# KiCad board Rogelio Pineda part 3-AMLDC-2044B.kicad_pcb (continued)
## Routing (per net, layer and track width the routed paths; a pad name or vN(x,y) marks a point on that pad's centre or on a via; arc(x,y) is an arc through that point) (continued)
~{INTP OUT}: length 9.5
  Top w0.15: J1.95 79.98,200.81 80.42,200.87 82.39,200.99 ; 85.07,201.06 v1(84.97,201.16) 84.27,201.12 83.71,201.05 82.3,200.98
~{INTR}: length 125.9
  Top w0.15: v1(98.99,222.67) 99.74,221.51 100.7,220.18 101.43,218.26 101.72,216.34 101.74,213.85 101.88,211.95 101.74,209.42 101.65,207.86 101.45,203.79 101.35,202.6 101.23,201.15 100.9,198.79 100.5,195.21 100.29,194.34 100.17,193.13 99.64,189.48 99.15,186.46 98.92,185.29 98.58,183.35 98.29,182.52 98.07,180.56 97.88,179.57 97.43,176.96 97.34,175.99 97.64,173.19 98,170.02 98.31,166.22 98.84,161.57 99.02,156.84 97.9,153.55 97.39,152.14 96.76,150.69 96.21,149.42 95.64,148.28 95.21,146.99 94.64,145.69 94.04,143.71 93.99,142.94 93.98,142.48 94.02,140.93 94.31,140.01 94.79,137.18 95,136.36 95.12,134.64 ; J2.29 76.97,116.25 91.67,116.29 93.32,116.61 93.83,117.08 94.09,117.6 94.24,118.96 94.01,120.44 93.95,122.92 93.81,123.8 94.15,127.54 94.79,130.25 ; 94.74,130.11 95.25,132.74 95.11,134.85
~{RQENB}: length 208
  Top w0.15: 101.35,243.19 101.48,246.55 102.01,248.27 102.13,250.45 102.14,252.02 101.89,253.63 101.58,254.58 101.56,258.09 101.49,258.81 101.48,260.37 100.33,264.46 99.77,265.54 97.57,268.53 96.93,270.12 96.57,271.4 96.5,272.03 96.48,273.46 96.52,274.63 96.94,280.49 v1(97.08,281.18) ; 101.36,243.29 101.56,229.84 101.58,229.63 101.84,227.75 102.61,225.84 104.55,222.34 105.67,220 105.56,206.34 105.55,206.26 105.43,202.93 105.37,202.15 105.11,199.46 104.98,198.43 104.48,194.48 104.14,191.75 103.84,189.77 103.62,188.59 102.94,184.55 102.64,182.38 101.75,178.29 101.36,176.78 101.35,175.97 101.39,173.3 101.71,171.28 101.76,170.72 101.82,169.9 102.25,163.99 102.48,162.27 102.74,156.79 102.54,155.4 102.21,153.29 101.71,151.89 100.57,149.55 99.94,148.24 99.35,147.21 98.81,145.91 98.17,144.71 97.74,143.57 97.89,140.9 98.29,139.83 98.87,136.13 99.17,135.01 99.15,133.49 98.89,130.72 98.72,129.27 98.12,126.42 97.78,125.43 97.97,121.62 98.27,118.03 98.43,117.3 98.64,108.34 98.64,107.59 98.74,103.14 98.76,103.19 98.77,101.24 97.78,99.78 96.7,99.01 94.12,98.28 92.49,98.24 90.77,98.04 89.5,98.02 89.12,97.96 86.04,97.93 80.75,97.26 77.49,97.72 J2.41
unconnected-(C14-Pad1): length 38.9
  Top w0.15: v1(222.54,313.24) 221.5,313.59 220.85,314.8 220.94,316.98 220.88,316.82 220.88,323.1 221.04,325.55 221.56,334.19 222.06,335.56 222.5,337.58 222.74,338.3 222.96,340.78 222.81,341.71 222.53,343.05 222.17,344.52 222.06,347.09 222.59,348.79 222.59,349.24 C14.1
unconnected-(J2-Pin_51-Pad51): length 57.4
  Top w0.15: 89.18,51.23 88,49.93 87.98,49.93 v1(87.31,49.26) 87.36,49.31 ; 89.18,51.23 88.89,50.75 ; 89.18,51.23 90.14,52.28 90.61,52.8 90.99,53.31 91.92,54.15 92.34,54.73 92.54,55.2 92.93,55.7 93.25,56.64 93.52,57.49 93.52,60.43 93.41,61 93.33,61.78 93.25,63.05 92.98,64.45 92.81,66.11 92.71,66.99 92.63,68.92 92.68,70.17 92.83,72.11 92.88,72.16 92.89,73.57 93,74.38 93.1,75.02 93.05,75.06 93.3,77.6 93.16,79.09 93.06,79.73 92.66,81.26 92.07,82.39 91.64,83.28 90.66,84.71 90.44,85.1 90.39,85.1 89.29,86.41 87.95,87.22 86.6,87.57 85.65,87.43 84.97,86.82 84.74,86.65 84.74,86.58 84.41,86.16 83.54,84.92 83.44,84.59 83.16,84.1 82.73,83.44 ; 82.73,83.44 82.33,82.95 81.7,82.25 81.54,82.25 80.26,80.98 J2.51 ; 82.73,83.44 82.73,83.48
unconnected-(J2-Pin_67-Pad67): length 8.7
  Top w0.15: J2.67 81.44,55.48 81.88,55.52 82.31,55.35 83.75,54.86 84.4,54.22 v1(84.9,54.16) 84.88,54.22
unconnected-(J2-Pin_69-Pad69): length 6.6
  Top w0.15: J2.69 80.08,52.4 80.56,52.88 81.89,52.88 82.47,53.45 v1(82.58,53.45) 82.58,53.56 82.51,53.5
unconnected-(R2-Pad2): length 19.5
  Top w0.15: v1(253.86,330.22) 253.09,330.86 252.69,332.1 252.55,334.22 252.52,334.93 252.78,338.29 252.75,339.87 252.85,340.9 252.98,343.11 253.04,344.41 253.23,345.28 253.46,346.55 253.58,347.04 253.58,348.69 R2.2
unconnected-(R3-Pad2): length 75.7
  Top w0.15: 176.97,319.74 176.96,319.73 ; 176.97,319.74 177.03,319.8 ; 176.97,319.74 177.03,319.8 ; R3.2 176.3,286.75 176.4,288.64 176.46,290.59 175.99,292.87 176.17,295.52 176.24,297.77 176.53,300.84 176.73,302.81 177.12,305.99 177.08,306.72 177.08,308.84 177.02,309.69 176.9,312.66 176.85,314.07 177.03,319.8 ; 178.15,341.39 178.15,350.07 178.13,350.09 178.13,356.71 v1(178.02,356.82) ; 177.03,319.8 177.03,322.8 177.06,322.83 177.06,325.79 176.79,326.75 176.44,327.52 175.99,328.33 175.39,329.54 175.07,331.12 175.29,331.82 175.58,332.82 176.32,334.4 177.23,336.35 177.94,338.49 178.23,340.29 178.15,341.48
unconnected-(R30-Pad1): length 25.9
  Top w0.15: v1(215.08,327.84) 215.72,328.69 216.29,329.86 216.74,331.1 216.89,331.5 217.09,332.6 217.04,333.97 216.81,334.42 216.25,335.33 215.95,335.87 215.41,336.47 215.19,336.77 214.92,336.96 214.58,337.48 214.4,337.77 214.14,338.13 213.9,338.33 213.9,341.62 214.17,342.31 214.53,342.95 215.04,343.48 215.48,343.86 216.31,344.3 v1(217.59,344.68) 217.61,345.49 217.53,347.13 217.54,348.65 R30.1
unconnected-(R39-Pad2): length 80.1
  Top w0.15: 406.05,354.4 v1(406.05,354.38) 406.07,354.38 406.24,354.21 406.6,353.39 406.91,352.79 407.07,352.45 407.38,351.66 407.81,350.53 408.39,348.96 408.78,346.97 408.66,342.86 408.61,342.16 408.61,340.07 408.53,323.37 408.19,322.19 407.9,319.2 407.86,318.18 407.92,315.29 408.36,314.17 408.88,311.12 408.91,310.45 408.95,309.66 409.07,306.47 408.88,303.55 408.69,302.6 408.35,301.74 408.16,301.51 406.85,299.91 406.64,299.37 406.07,297.39 405.96,290.8 405.97,290.48 406.05,290.03 406,288.64 405.97,287.3 405.84,285.7 405.79,284.88 405.71,283.92 405.7,282.92 405.59,279.82 405.62,278.6 405.56,277.29 R39.2
unconnected-(R42-Pad2): length 53.3
  Top w0.15: R42.2 403.15,217.25 403.08,218.05 403.43,219.2 403.57,219.63 404.01,221.43 404.19,222.86 404.27,223.02 404.33,223.6 404.52,225.55 404.6,226.16 404.72,227.03 404.78,228.28 404.89,229.8 405.18,231.51 405.33,232.91 405.46,233.69 405.64,235.07 405.79,235.91 405.92,236.76 406.09,237.78 406.18,238.64 406.25,239.22 406.25,241.23 406.6,242.48 406.33,244.4 406.37,246.04 406.18,247.34 405.97,248.05 405.8,248.81 405.68,249.22 405.12,250.29 404.77,251.14 404.48,251.7 404.23,252.32 404.08,252.72 403.42,254.43 403.26,255.25 403.18,256.6 403.25,258.38 403.63,261.41 403.87,262.85 404.17,263.63 404.56,265 404.93,266.1 405.14,267.11 405.29,267.88 v1(405.26,268.62) 405.29,268.58
unconnected-(R55-Pad1): length 25.8
  Top w0.25: R55.1 105.58,227.34 108.53,221.59 108.86,204.46 109.13,204.19 ; 109.13,204.19 v2(109.13,204.13) 109.18,204.13 109.13,204.19
unconnected-(R58-Pad2): length 2
  Top w0.15: v1(183.32,354.15) 183.38,354.09 R58.2
unconnected-(R79-Pad2): length 96.1
  Top w0.15: R79.2 375.12,354.52 375.58,352.74 375.76,351.67 375.82,350.78 375.93,349.64 376.01,348.29 376.08,347.94 376.22,344.27 376.34,343.16 376.01,336.28 375.84,333.48 375.75,333 375.63,331.04 375.61,330.55 375.62,330.04 375.62,328.48 375.69,328.4 375.69,327.8 ; 375.69,327.8 373.86,327.8 v1(373.83,327.77) 373.8,327.8 373.77,327.8 ; 375.69,327.8 375.57,319.19 375.58,318.11 375.56,317.41 375.47,316.13 375.44,313.74 375.25,312.96 374.78,311.81 374.63,311.38 374.43,310.92 374.3,310.47 373.9,309.11 374.12,307.41 374.25,306.87 374.51,305.94 374.72,304.52 374.89,303.25 375.02,302.56 375.17,294.26 374.97,285.46 374.87,280.96 374.87,280.3 374.69,278.55 374.52,277.83 374.32,277.17 374.16,276.89 373.98,276.12 373.89,275.63 v1(373.87,275.63) 374.14,274.82 374.34,274.06 374.46,272.42 374.69,271.3 374.69,267.43 374.74,266.7 374.65,266.16 374.57,265.28 374.06,263.45 373.96,263.13 373.85,262.9 v1(373.85,262.79) 373.73,262.79 373.71,262.77
unconnected-(R85-Pad1): length 47.1
  Top w0.15: 173.2,79.92 v1(173.1,79.99) 173.45,80.64 173.28,81.59 173.45,82.34 173.59,82.86 173.85,83.74 174,85.05 ; 172.76,123.82 172.76,125.85 R85.1 ; 172.76,123.82 172.76,123.9 ; 172.76,123.82 172.87,119.42 173.56,115.07 173.86,113.46 174,112.33 174,85.05 ; 174,85.05 174,84.88
unconnected-(R89-Pad2): length 6.4
  Top w0.15: v1(251.51,319.33) 251.39,318.67 251.24,317.99 250.47,314.39 R89.2
unconnected-(UD8B-~{R}-Pad13): length 11.2
  Top w0.15: UD8.13 418.91,323.9 418.62,323.32 418.49,322.73 418.11,321.87 418.02,314.63 417.72,314.34 v1(417.72,314.28) 417.67,314.28 417.6,314.21
unconnected-(UG8-Pad11): length 10.2
  Top w0.15: 422.67,260.15 422.57,260.25 v1(422.57,260.29) 422.57,266.53 422.87,267.69 UG8.11
unconnected-(US2-CK-Pad8): length 6.3
  Top w0.15: US2.8 204.8,96.36 205.56,97.29 205.96,98.2 206.11,98.34 v1(206.49,99.48)

## Text on the board
User.Comments: Rework Wire / Here | B C D E | T  U  V W | F G H J  K | P R S | L M N | F G H J K | L  M N | 0   1   2   3   4   5   6   7   8
